# Altium PCB 2440PCBV8.PcbDoc (part 2 of 4) (continued)
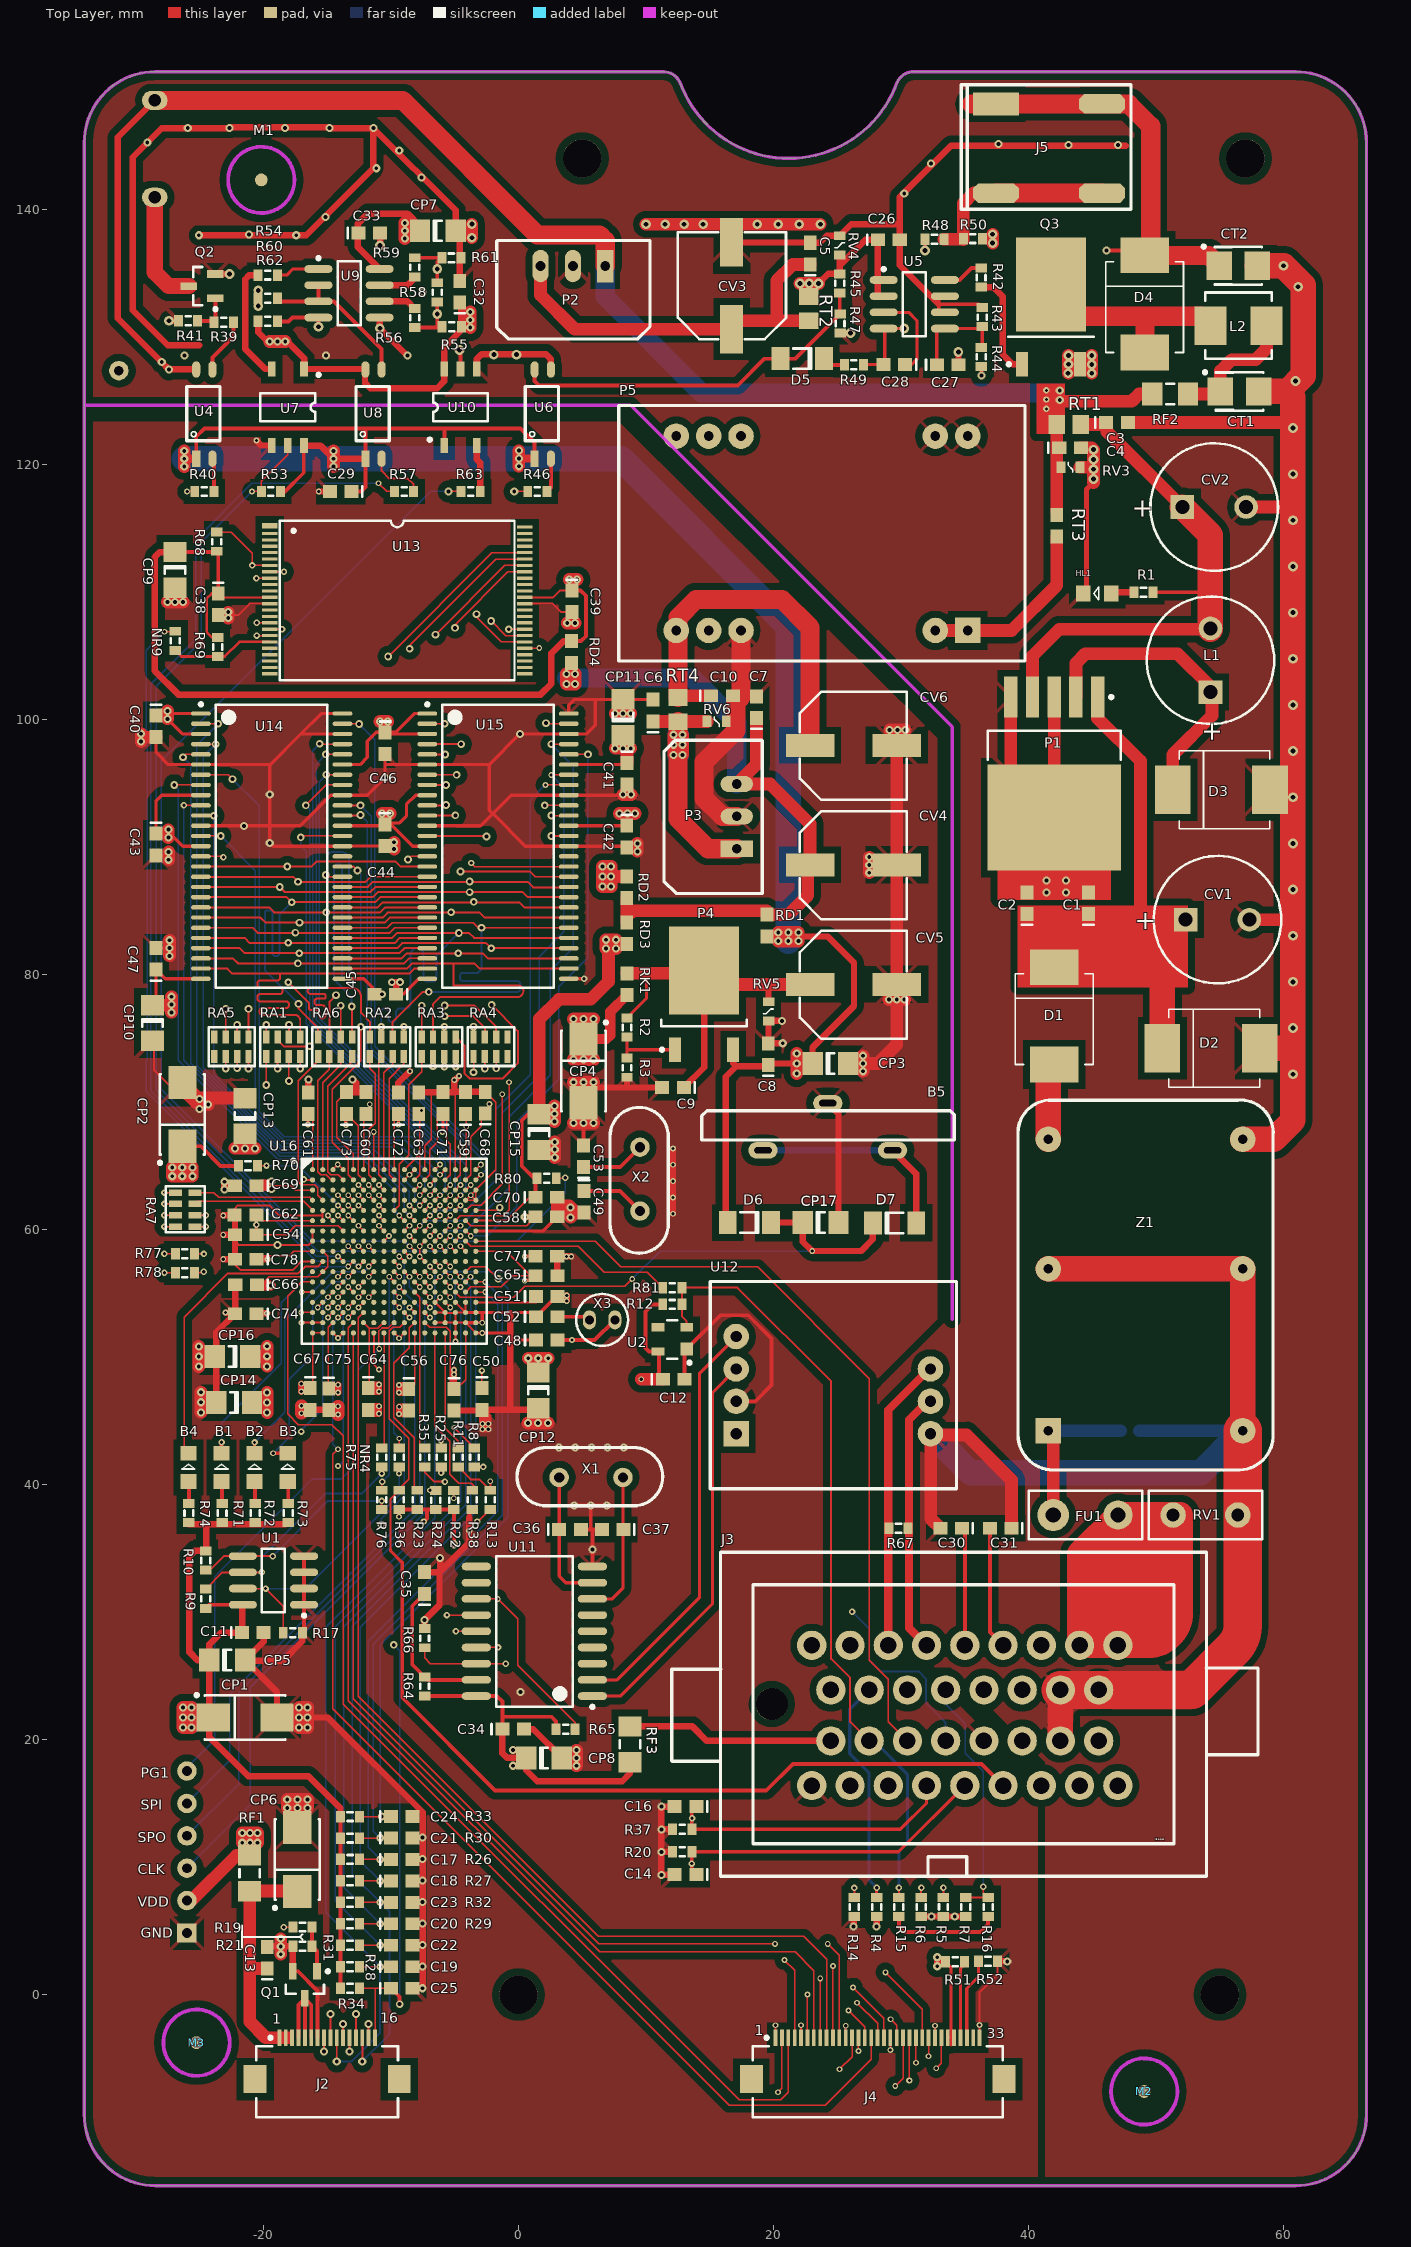
[diagram p0: Top Layer view]
## Nets (pads, with @x,y where several pads share a name; then routed paths per layer and width w, separated by ;. In a path a pad name is that pad's centre, name@x,y a point inside that pad or via, vN(x,y) a via of type N, cw(c..) or ccw(c..) an arc to the next point about the centre after c; other vN are vias at no path point) (continued)
  Top Layer w1: v1(-29.591,98.273) v1@-29.591,98.616 ; v1(-29.591,98.882) v1@-29.591,98.616 ; C40.2@-28.423,98.616 v1@-29.591,98.616 ; v1(-27.534,109.22) v1(-26.924,109.22) v1(-26.314,109.22) ; v1(-27.432,89.002) v1(-27.432,89.611) ; v1(-27.367,81.47) v1(-27.367,82.079) v1(-27.367,82.689) ; v1(-25.07,49.251) v1(-25.07,50.038) v1(-25.07,50.825) ; v1(-24.892,45.669) v1(-24.892,46.457) v1(-24.892,47.244) ; v1(-24.333,69.799) -24.627,69.799 v1@-25.039,70.211 ; v1(-22.758,107.95) -22.758,108.192 v1(-22.758,108.421) ; CP13.2@-21.436,70.31 -24.94,70.31 v1(-25.019,70.231) v1@-25.039,70.211 ; v1(-18.644,3.175) v1(-18.644,3.785) -18.644,3.802 -18.644,3.81 v1(-18.644,4.394) ; v1(-17.221,22.53) v1(-17.221,21.742) v1(-17.221,20.955) v1(-16.535,20.955) v1(-16.535,21.742) v1(-16.535,22.53) v1@-17.199,22.53 ; v2(-17.018,45.593) v2(-17.018,46.177) ; v2(-14.148,45.491) v2(-14.148,46.152) ; v1(-9.748,89.84) v1(-9.748,90.373) ; v1(0.737,44.841) v1(1.524,44.841) v1(2.311,44.841) ; v1(2.845,65.659) v1(2.845,66.269) v1(2.845,66.878) ; C58.2@3.039,60.999 3.039,61.874 ; C70.2@3.039,62.54 3.039,61.874 ; v1(3.823,107.568) v1(4.432,107.568) ; v1(4.318,68.351) v1(5.105,68.351) ; v1(4.318,71.552) v1(5.105,71.552) v1(5.893,71.552) ; v1(4.547,17.958) v1(4.547,18.567) v1(4.547,19.177) ; CP4.2@5.105,69.941 v1(5.105,68.351) ; C49.2@5.131,61.329 4.448,61.329 ; v1(5.893,68.351) v1(5.105,68.351) ; v1(7.582,100.468) v1(8.191,100.468) v1(8.801,100.468) ; v1(8.204,94.107) 8.357,94.107 v1(8.814,94.107) ; v1(9.322,89.662) v1(9.322,90.272) ; CP3.2@25.86,73.025 v1(27.014,73.025) ; v1(27.014,72.415) v1(27.014,73.025) ; v1(27.014,73.635) v1(27.014,73.025) ; v1(27.508,87.986) v1(27.508,88.595) v1(27.508,89.205) ; v1(29.054,78.029) v1(29.664,78.029) ; v1(29.108,99.187) v1(29.718,99.187) v1(30.328,99.187) ; CV6.2@29.664,97.968 CV4.2@29.664,88.595 CV5.2@29.664,79.223 v1(29.664,78.029) ; v1(30.273,78.029) v1(29.664,78.029) ; v1@-25.039,70.211 -25.286,69.964 -26.365,71.044 CP2.2@-26.365,71.537 v1@-25.039,70.211 ; 3.039,61.874 3.952,61.874 v1(4.079,61.747) ; v1(4.079,61.747) 4.448,61.378 4.448,61.329 ; v1(4.079,61.747) v1(4.079,60.96) 4.448,61.329 ; v1(27.014,73.025) 28.169,73.025 29.664,74.52 v1(29.664,78.029) ; v1(-18.136,14.656) v1(-17.335,14.656) v1(-16.535,14.656) v1(-16.535,15.316) v1(-17.335,15.316) v1(-18.136,15.316) v1(-18.136,14.656)
  Top Layer w1.5: P3.2@17.12,92.405 15.977,92.405 14.554,93.828 14.554,96.647 17.07,99.163 17.07,101.38 17.45,101.76 17.45,101.854 17.45,101.905 ; P5.16@17.45,106.985 17.45,101.905 ; 17.501,101.854 17.45,101.905
  SIG1 w0.152: v1(-18.898,58.801) -18.263,59.436 -11.582,59.436 -11.22,59.074 -8.973,59.074 v2(-8.548,59.499) ; v2(-6.948,55.499) -6.948,55.487 v2(-6.147,54.686)
  Bottom Layer w1: v1(27.014,72.415) v1(27.014,73.025)
  other v1: 0.152,23.747 3.188,42.913 4.455,42.913 5.721,42.913 6.988,42.913 8.255,42.913 -25.019,69.444 -21.539,91.643
  other v2: 3.759,57.9 4.14,57.9
  other v3: -10.693,78.461
GPB10/NAND: NR9.2 U16.K6 | length 60.5
  Top Layer w0.102: v2(-27.762,106.883) -26.95,106.883 NR9.2@-26.911,106.922 ; v2(-12.548,57.099) U16.K6@-12.148,57.499
  Bottom Layer w0.102: v2(-27.762,106.883) -29.203,105.442 -29.203,99.186 -29.102,99.085 -29.102,73.38 -29.203,73.279 -29.203,70.834 -15.868,57.499 -12.948,57.499 v2(-12.548,57.099)
GPC1/VCLK: J4.2 U16.L4 | length 90.1
  Top Layer w0.102: v2(-14.148,56.299) U16.L4@-13.748,56.699 ; v2(20.345,-7.645) 20.66,-7.331 J4.2@20.66,-3.375
  SIG1 w0.102: v2(-14.148,56.299) -14.948,56.299 -17.983,53.263 -17.983,25.177 14.839,-7.645 v2(20.345,-7.645)
GPC2/VLINE: J4.3 U16.M1 | length 90.1
  Top Layer w0.102: U16.M1@-16.148,55.899 -16.999,55.899 -18.11,54.788 -18.11,45.547 -17.267,44.704 -14.63,44.704 -13.748,43.822 -13.748,22.79 17.297,-8.255 20.549,-8.255 21.16,-7.644 J4.3@21.16,-3.375
GPC3/VFRAME: J4.4 U16.L7 | length 78.2
  Top Layer w0.102: v2(-11.748,56.299) U16.L7@-11.348,56.699 ; v2(20.853,2.718) 21.66,1.911 J4.4@21.66,-3.375
  SIG1 w0.102: v2(-11.748,56.299) -11.348,55.899 -11.348,27.934 13.868,2.718 v2(20.853,2.718)
GPC4/VM: J4.27 U16.M4 | length 97.4
  Top Layer w0.102: v2(-14.148,55.499) U16.M4@-13.748,55.899 ; v2(32.766,-5.766) 33.16,-5.372 J4.27@33.16,-3.375
  SIG1 w0.102: v2(-14.148,55.499) -15.434,55.499 -16.51,54.423 -16.51,25.654 15.392,-6.248 32.283,-6.248 v2(32.766,-5.766)
GPG5/485: R57.2 U16.K4 | length 83
  Top Layer w0.102: v2(-14.148,57.899) U16.K4@-13.748,57.499 ; v2(-10.986,118.529) -10.338,117.881 R57.2@-9.72,117.881
  Bottom Layer w0.102: v2(-14.148,57.899) -15.862,57.899 -28.854,70.891 -28.854,102.78 -25.324,106.311 -25.324,114.108 -20.916,118.516 v2@-10.986,118.516
GPG12/EINT20: U16.M10
GPG13: R23.2 U16.T11 | length 14.6
  Top Layer w0.102: U16.T11@-8.148,52.699 -8.548,52.299 -8.548,50.736 -9.782,49.502 -9.782,45.291 -8.179,43.688 -8.179,39.807 R23.2@-7.933,39.561
GPG14: R24.2 U16.L11 | length 17.6
  Top Layer w0.102: U16.L11@-8.148,56.699 v2(-7.748,56.299)
  SIG1 w0.102: v2(-7.748,56.299) -7.348,55.899 -7.348,55.715 -7.348,55.664 -7.348,39.961 v2(-6.948,39.561)
GPG15: R38.1 U16.U13 | length 14.2
  Top Layer w0.102: U16.U13@-6.548,51.899 -6.548,44.572 -5.385,43.409 -5.385,40.818 -4.674,40.107 -3.708,40.107 -3.429,39.827 R38.1@-3.429,39.536
I2CSCL: R9.2 R75.1 U1.6 | length 18.6
  Top Layer w0.152: R9.2@-24.538,31.802 -23.219,33.122 U1.6@-21.618,33.122 ; U1.6@-21.412,33.122 v5(-20.117,33.122) ; v5(-10.719,40.869) R75.1@-10.719,41.389
  Bottom Layer w0.152: v5(-20.117,33.122) -20.117,34.315 -15.113,39.319 -12.268,39.319 v5(-10.719,40.869)
I2CSDA: R10.2 R76.1 U1.5 | length 16.7
  Top Layer w0.152: R10.2@-24.538,33.299 -24.206,33.299 -23.114,34.392 U1.5@-21.618,34.392 v5(-19.279,34.392) ; R76.1@-10.731,38.061 v5(-10.731,38.722)
  Bottom Layer w0.152: v5(-19.279,34.392) -14.948,38.722 v5(-10.731,38.722)
LADDR2: RA2.4 U14.23 U15.23 | length 38.5
  Top Layer w0.152: U14.23@-24.905,82.868 -21.477,82.868 -21.081,82.473 -9.704,82.473 -9.308,82.868 U15.23@-7.15,82.868 ; v3(-18.059,79.4) -16.434,77.775 -16.434,77.394 ccw(c-16.256,77.394) -16.256,77.216 -15.824,77.216 cw(c-15.824,76.987) -15.596,76.987 -15.596,76.759 ccw(c-15.392,76.759) -15.392,76.556 ccw(c-15.392,76.803) -15.145,76.803 -15.145,77.349 ccw(c-15.392,77.349) -15.392,77.597 -15.773,77.597 cw(c-15.773,77.826) -16.002,77.826 -16.002,77.902 cw(c-15.799,77.902) -15.799,78.105 -15.291,78.105 ccw(c-15.291,78.283) -15.113,78.283 -15.113,78.308 ccw(c-15.291,78.308) -15.291,78.486 -16.307,78.486 cw(c-16.307,78.715) -16.535,78.715 cw(c-16.307,78.715) -16.307,78.943 -13.03,78.943 cw(c-13.03,78.257) -12.344,78.257 -12.344,76.987 -11.652,76.295 RA2.4@-11.652,75.114
  SIG1 w0.152: v3(-18.059,79.4) v3(-18.059,82.499)
LADDR3: RA3.2 U14.24 U15.24 | length 35.9
  Top Layer w0.152: U14.24@-24.905,82.068 -21.87,82.068 -21.475,81.673 v3(-17.196,81.673) -9.335,81.673 -8.94,82.068 U15.24@-7.15,82.068 ; RA3.2@-5.81,75.114 v3(-5.81,75.901)
  SIG1 w0.152: v3(-17.196,81.673) -16.637,81.114 -16.637,76.923 -14.593,74.879 -6.833,74.879 v3(-5.81,75.901)
LADDR4: RA1.4 U14.25 U15.25 | length 33.9
  Top Layer w0.152: U14.25@-24.905,81.268 -22.391,81.268 -21.996,80.873 v3(-17.297,80.873) -8.967,80.873 -8.56,81.28 U15.25@-7.15,81.28 ; RA1.4@-19.78,75.114 v3(-19.78,76.066)
  SIG1 w0.152: v3(-19.78,76.066) -19.78,78.689 cw(c-19.552,78.689) -19.552,78.918 -19.507,78.918 cw(c-19.507,78.689) -19.279,78.689 -19.279,76.733 ccw(c-19.075,76.733) -19.075,76.53 -18.999,76.53 ccw(c-18.999,76.733) -18.796,76.733 -18.796,78.511 cw(c-18.618,78.511) -18.618,78.689 -18.542,78.689 cw(c-18.542,78.511) -18.364,78.511 -18.364,76.987 ccw(c-18.161,76.987) -18.161,76.784 -18.059,76.784 ccw(c-18.059,76.987) -17.856,76.987 -17.856,78.283 -17.297,78.842 v3(-17.297,80.873)
LADDR5: RA1.1 U14.26 U15.26 | length 35.5
  Top Layer w0.152: U14.26@-24.905,80.468 -22.836,80.468 -22.44,80.073 -18.694,80.073 ; RA1.1@-17.113,75.114 -17.113,76.397 ccw(c-17.551,76.397) -17.551,76.835 -20.091,76.835 cw(c-20.091,77.038) -20.295,77.038 -20.295,77.165 cw(c-20.091,77.165) -20.091,77.368 -18.237,77.368 ccw(c-18.237,77.603) -18.002,77.603 -18.002,77.667 ccw(c-18.237,77.667) -18.237,77.902 -20.277,77.902 cw(c-20.277,78.097) -20.472,78.097 -20.472,78.265 cw(c-20.277,78.265) -20.277,78.461 -18.72,78.461 ccw(c-18.72,78.664) -18.517,78.664 -18.517,78.783 ccw(c-18.72,78.783) -18.72,78.986 -20.277,78.986 cw(c-20.277,79.182) -20.472,79.182 -20.472,79.332 cw(c-20.277,79.332) -20.277,79.527 -18.923,79.527 ccw(c-18.923,79.756) -18.694,79.756 -18.694,80.073 ; U15.26@-7.15,80.468 -8.178,80.468 -8.573,80.073 -18.694,80.073
LADDR6: RA3.3 U14.29 U15.29 | length 35.7
  Top Layer w0.152: U14.29@-13.805,80.468 -8.762,80.468 -8.366,80.864 -5.105,80.864 ; RA3.3@-6.699,75.114 -6.699,77.705 -6.172,78.232 -0.102,78.232 ccw(c-0.102,78.715) 0.381,78.715 ccw(c-0.051,78.715) -0.051,79.146 -5.08,79.146 -5.08,80.838 -5.105,80.864 ; U15.29@3.95,80.468 -3.049,80.468 -3.445,80.864 -5.105,80.864
LADDR7: RA1.3 U14.30 U15.30 | length 39.7
  Top Layer w0.152: RA1.3@-18.891,75.114 -18.891,74.861 -18.401,74.371 v3(-16.383,74.371) ; U14.30@-13.805,81.268 -9.156,81.268 -8.76,81.664 v3(-4.724,81.664) -2.797,81.664 -2.388,81.255 U15.30@3.95,81.255
  SIG1 w0.152: v3(-16.383,74.371) -16.129,74.117 -5.918,74.117 -4.724,75.311 v3(-4.724,81.664)
LADDR8: RA3.1 U14.31 U15.31 | length 35.9
  Top Layer w0.152: U14.31@-13.805,82.068 -9.524,82.068 -9.129,82.464 -2.53,82.464 v3(-2.135,82.068) U15.31@3.95,82.068 ; RA3.1@-4.921,75.114 -4.242,74.434 -4.242,72.263 -3.828,71.849 -1.252,71.849 -0.051,73.05 -0.051,75.565 v3(-2.108,77.622)
  SIG1 w0.152: v3@-2.135,77.622 v3(-2.135,82.068)
LADDR9: RA2.3 U14.32 U15.32 | length 37.2
  Top Layer w0.152: U14.32@-13.805,82.868 -9.917,82.868 -9.522,83.264 v3(-4.674,83.264) -3.883,83.264 -3.487,82.868 U15.32@3.95,82.868 ; RA2.3@-10.763,75.114 v3(-10.763,75.882)
  Bottom Layer w0.152: v3(-10.763,75.882) -10.763,77.07 cw(c-10.49,77.07) -10.49,77.343 cw(c-10.49,77.064) -10.211,77.064 -10.211,76.556 ccw(c-9.938,76.556) -9.938,76.282 -9.874,76.282 ccw(c-9.874,76.556) -9.601,76.556 -9.601,77.013 cw(c-9.271,77.013) -9.271,77.343 -8.839,77.343 ccw(c-8.839,77.724) -8.458,77.724 -8.458,81.559 cw(c-7.949,81.559) -7.949,82.068 cw(c-7.949,81.561) -7.442,81.561 -7.442,79.731 ccw(c-7.163,79.731) -7.163,79.451 -6.706,79.451 ccw(c-6.706,79.731) -6.426,79.731 -6.426,81.511 v3(-4.674,83.264)
LADDR10: RA2.2 U14.33 U15.33 | length 41.4
  Top Layer w0.152: U14.33@-13.805,83.668 -10.286,83.668 -9.891,84.064 -3.547,84.064 -3.152,83.668 v3(-2.896,83.668) U15.33@3.95,83.668 ; RA2.2@-9.874,74.79 RA2.2@-9.874,75.114 -9.874,76.282 -7.518,78.638 v3(-7.036,78.638)
  Bottom Layer w0.152: v3(-7.036,78.638) -0.127,78.638 ccw(c-0.127,78.918) 0.152,78.918 0.152,79.223 ccw(c-0.127,79.223) -0.127,79.502 -4.369,79.502 cw(c-4.369,79.705) -4.572,79.705 -4.572,79.934 cw(c-4.369,79.934) -4.369,80.137 -3.175,80.137 -2.896,80.416 v3(-2.896,83.668)
LADDR11: RA1.2 U14.34 U15.34 | length 42.2
  Top Layer w0.152: RA1.2@-18.002,75.114 v3(-18.002,76.066) ; U14.34@-13.805,84.468 -10.655,84.468 -10.259,84.864 -3.05,84.864 -2.655,84.468 U15.34@3.95,84.468
  SIG1 w0.152: v3(-18.002,76.066) -17.056,76.066 -15.488,74.498 -6.325,74.498 -5.283,75.54 v3(-5.286,84.887) v3(-5.286,84.887)
LADDR12: RA2.1 U14.22 U15.22 | length 37.7
  Top Layer w0.152: U14.22@-24.905,83.668 -20.854,83.668 -20.459,83.273 -10.097,83.273 -9.702,83.668 U15.22@-7.15,83.668 ; RA2.1@-8.985,75.114 v3(-8.985,75.901)
  SIG1 w0.152: v3(-17.493,83.287) -16.027,81.821 -16.027,77.038 -14.269,75.28 -7.245,75.28 ccw(c-7.245,75.413) -7.112,75.413 -7.112,75.698 ccw(c-7.315,75.698) -7.315,75.901 v3(-8.985,75.901)
LADDR13: RA4.4 U14.35 U15.35 | length 29.1
  Top Layer w0.152: U14.35@-13.805,85.268 -11.035,85.268 -10.64,85.664 0.061,85.664 0.457,85.268 U15.35@3.95,85.268 ; RA4.4@-3.524,75.114 v3(-3.524,75.914)
  SIG1 w0.152: v3(-3.524,75.914) -3.524,77.781 -3.048,78.258 -3.048,81.039 -3.505,81.496 v3(-3.505,85.7) v3@-3.524,85.68
LADDR14: RA3.4 U14.36 U15.36 | length 35.2
  Top Layer w0.152: U14.36@-13.805,86.068 -11.417,86.068 -11.021,86.464 v3(-3.835,86.464) 0.328,86.464 0.723,86.068 U15.36@3.95,86.068 ; RA3.4@-7.588,75.114 v3(-7.588,77.561)
  SIG1 w0.152: v3(-7.588,77.561) -6.843,77.561 -6.172,78.232 -6.172,79.702 ccw(c-6.531,79.702) -6.531,80.061 -8.561,80.061 cw(c-8.561,80.213) -8.713,80.213 -8.713,82.194 -4.443,86.464 v3(-3.835,86.464)
LADDR24: RA4.2 U14.20 U15.20 | length 40.7
  Top Layer w0.152: U14.20@-24.905,85.268 -19.559,85.268 -19.163,84.873 v3(-15.062,84.873) -10.86,84.873 -10.464,85.268 U15.20@-7.15,85.268 U15.20@-7.125,85.293 ; v3(-5.791,77.572) -3.429,77.572 -1.746,75.889 RA4.2@-1.746,75.114
  SIG1 w0.152: v3(-15.062,84.873) -15.113,84.822 -15.113,77.8 -14.249,76.937 -6.426,76.937 v3(-5.791,77.572)
LADDR25: RA4.3 U14.21 U15.21 | length 39.8
  Top Layer w0.152: U14.21@-24.905,84.468 -20.232,84.468 -19.836,84.073 v3(-17.17,84.073) -10.491,84.073 -10.096,84.468 U15.21@-7.15,84.468 ; v3(-5.791,76.733) -3.531,76.733 -2.635,75.838 RA4.3@-2.635,75.114
  SIG1 w0.152: v3(-17.17,84.073) -15.469,82.371 -15.469,77.47 -14.503,76.505 -6.02,76.505 v3(-5.791,76.733)
LALE: RA7.8 U16.D1 | length 9.5
  Top Layer w0.102: RA7.8@-25.375,62.903 -23.88,62.903 -23.512,62.535 -16.384,62.535 U16.D1@-16.148,62.299
LCLE: R77.2 U16.F5 | length 13.9
  Top Layer w0.102: R77.2@-25.412,58.11 -24.683,58.11 v5(-24.663,58.09) ; v2(-13.348,61.099) U16.F5@-12.948,60.699
  SIG1 w0.102: v5(-24.663,58.09) -23.851,58.903 -20.244,58.903 -18.448,60.699 -13.748,60.699 v2(-13.348,61.099)
LDATA0: U13.29 U14.2 U16.D12 | length 83.4
  Top Layer w0.102: U14.2@-24.905,99.668 v3(-23.545,99.668) ; v2(-7.748,61.899) U16.D12@-7.348,62.299 ; U13.29@0.487,105.585 1.597,105.585 v2(1.626,105.613)
  SIG1 w0.102: v3(-23.545,99.668) -22.963,99.668 -13.792,108.839 -1.6,108.839 v2(1.626,105.613)
  Bottom Layer w0.102: v3(-23.545,99.668) -25.248,97.965 -25.248,72.9 -18.61,66.263 -11.312,66.263 -8.148,63.099 -8.148,62.299 v2(-7.748,61.899) v2@-7.748,61.902
LDATA1: U13.30 U14.4 U16.C12 | length 79.4
  Top Layer w0.102: U14.4@-24.905,98.068 v3(-23.75,98.068) ; v2(-7.748,62.699) U16.C12@-7.348,63.099 ; v3(-3.289,108.267) -3.289,108.013 -1.361,106.085 U13.30@0.487,106.085
  SIG1 w0.102: v3(-23.75,98.068) -13.551,108.267 v3(-3.289,108.267)
  Bottom Layer w0.102: v3(-23.75,98.068) -24.714,97.104 -24.714,72.681 -18.547,66.513 -9.962,66.513 -7.348,63.899 -7.348,63.099 v2(-7.748,62.699)
LDATA2: U13.31 U14.5 U16.E11 | length 80.4
  Top Layer w0.102: v3(-26.314,97.046) -26.092,97.268 U14.5@-24.905,97.268 ; v2(-8.548,61.899) U16.E11@-8.148,61.499 ; v3@-2.14,107.728 -0.997,106.585 U13.31@0.487,106.585
  SIG1 w0.102: v3(-26.314,97.046) -23.858,97.046 -13.183,107.721 v3(-2.146,107.721)
  Bottom Layer w0.102: v3(-26.314,97.046) -25.705,96.436 -25.705,73.043 -18.673,66.012 -11.58,66.012 -8.548,62.979 v2(-8.548,61.899)
LDATA3: U13.32 U14.7 U16.A13 | length 73.8
  Top Layer w0.102: U14.7@-24.905,95.668 -22.77,95.668 v3(-22.428,95.326) ; U16.A13@-6.548,64.699 v2(-6.148,65.099) ; v3(-0.761,107.085) U13.32@0.487,107.085
  SIG1 w0.102: v3(-22.428,95.326) -11.608,106.147 -1.699,106.147 v3(-0.761,107.085)
  Bottom Layer w0.102: v3(-22.428,95.326) -20.32,93.218 -20.32,69.228 -18.358,67.266 -8.315,67.266 v2(-6.148,65.099)
LDATA4: U13.41 U14.8 U16.F10 | length 82.3
  Top Layer w0.102: v3(-27,94.868) U14.8@-24.905,94.868 ; v2(-9.348,61.099) U16.F10@-8.948,60.699 ; v3(-4.978,107.188) -4.978,107.442 -0.835,111.585 U13.41@0.487,111.585
  SIG1 w0.102: v3(-27,94.868) -24.842,94.868 -12.497,107.213 -5.004,107.213 v3(-4.978,107.188)
  Bottom Layer w0.102: v3(-27,94.868) -26.663,94.532 -26.663,73.297 -18.876,65.51 -12.159,65.51 -9.748,63.099 -9.748,61.499 v2(-9.348,61.099)
LDATA5: U13.42 U14.10 U16.F11 | length 80
  Top Layer w0.102: v5@-26.238,93.268 U14.10@-24.905,93.268 ; v2(-8.548,61.113) -8.548,61.099 U16.F11@-8.148,60.699 ; v3(-6.502,106.655) -1.072,112.085 U13.42@0.487,112.085
  SIG1 w0.102: v5@-26.238,93.268 -25.451,93.268 -12.065,106.655 v3(-6.502,106.655)
  Bottom Layer w0.102: v5(-26.238,93.269) -26.238,73.263 -18.736,65.761 -11.874,65.761 -8.948,62.835 -8.948,61.499 -8.548,61.099 v2(-8.548,61.113)
LDATA6: U13.43 U14.11 U16.C13 | length 76.9
  Top Layer w0.102: U14.11@-24.905,92.468 v3@-23.914,92.468 ; v3(-8.534,105.549) -8.534,105.816 -1.766,112.585 U13.43@0.487,112.585 ; v2(-6.948,62.699) U16.C13@-6.548,63.099
  SIG1 w0.102: v3@-23.914,92.468 -10.833,105.549 v3(-8.534,105.549)
  Bottom Layer w0.102: v3@-23.914,92.468 v3(-23.901,92.456) -23.901,72.182 -18.484,66.764 -9.413,66.764 -6.548,63.899 -6.548,63.099 v2(-6.948,62.699)
LDATA7: U13.44 U14.13 U16.A14 | length 75
  Top Layer w0.102: U14.13@-24.905,90.868 v3(-23.355,90.868) ; v3(-10.223,104.94) -2.079,113.085 U13.44@0.487,113.085 ; v2(-6.148,64.299) U16.A14@-5.748,64.699
  SIG1 w0.102: v3(-23.355,90.868) -23.355,91.808 v3(-10.223,104.94)
  Bottom Layer w0.102: v3(-23.355,90.868) -20.625,88.138 -20.625,69.219 -18.421,67.015 -8.864,67.015 v2(-6.148,64.299)
LDATA8: U14.42 U16.D13 | length 36.8
  Top Layer w0.102: v3(-17.069,90.754) -16.955,90.868 U14.42@-13.805,90.868 ; U16.D13@-6.548,62.299 v2(-6.148,62.699)
  Bottom Layer w0.102: v3(-17.069,90.754) -17.069,90.094 -16.65,89.675 -16.65,76.167 -5.748,65.265 -5.748,63.099 v2(-6.148,62.699)
LDATA9: U14.44 U16.B15 | length 33.5
  Top Layer w0.102: U16.B15@-4.948,63.899 -4.548,64.299 v2@-4.548,66.478
  Top Layer w0.152: U14.44@-13.805,92.468 -12.434,92.468 v3(-12.395,92.507)
  Bottom Layer w0.102: v3(-12.395,92.507) -11.862,91.973 -11.862,74.194 -4.541,66.873 v2(-4.541,66.478)
LDATA10: U14.45 U16.A17 | length 34.1
  Top Layer w0.102: U16.A17@-3.348,64.699 v2(-2.953,65.094)
  Top Layer w0.152: U14.45@-13.805,93.268 v3(-12.395,93.269)
  Bottom Layer w0.102: v3(-12.395,93.269) -11.528,92.402 -11.528,74.215 -2.953,65.64 v2(-2.953,65.094)
LDATA11: U14.47 U16.C14 | length 38.6
  Top Layer w0.102: v3(-16.674,93.269) -15.074,94.868 U14.47@-13.805,94.868 ; U16.C14@-5.748,63.099 v2(-5.348,63.499)
  Bottom Layer w0.102: v3(-16.674,93.269) -16.377,92.972 -16.377,76.249 -5.348,65.22 v2(-5.348,63.499)
LDATA12: U14.48 U16.D15 | length 40
  Top Layer w0.102: v3(-15.062,95.682) -15.049,95.668 U14.48@-13.805,95.668 ; U16.D15@-4.948,62.299 v2(-4.548,62.699)
  Bottom Layer w0.102: v3(-15.062,95.682) -15.622,95.122 -15.622,76.558 -4.148,65.084 -4.148,63.099 v2(-4.548,62.699)
LDATA13: U14.50 U16.C15 | length 40.6
  Top Layer w0.102: v3(-15.101,97.268) U14.50@-13.805,97.268 ; U16.C15@-4.948,63.099 v2(-4.548,63.499)
  Bottom Layer w0.102: v3(-15.101,97.268) -15.875,96.494 -15.875,76.457 -4.548,65.129 v2(-4.548,63.499)
LDATA14: U14.51 U16.D14 | length 42.8
  Top Layer w0.102: v3(-15.596,98.095) -15.622,98.068 U14.51@-13.805,98.068 ; U16.D14@-5.748,62.299 v2(-5.348,62.699)
  Bottom Layer w0.102: v3(-15.596,98.095) -16.126,97.564 -16.126,76.353 -4.948,65.174 -4.948,63.099 v2(-5.348,62.699)
LDATA15: U14.53 U16.B17 | length 41.5
  Top Layer w0.102: U14.53@-13.805,99.668 -12.521,99.668 v3(-12.497,99.644) ; U16.B17@-3.348,63.899 v2(-2.948,64.299)
  Bottom Layer w0.102: v3(-12.497,99.644) -11.278,98.425 -11.278,74.396 -2.553,65.672 -2.553,64.693 v2(-2.948,64.299)
LDATA16: U15.2 U16.C16 | length 44
  Top Layer w0.102: U16.C16@-4.148,63.099 v2(-3.748,63.499)
  Top Layer w0.152: U15.2@-7.15,99.668 v3(-5.792,99.668)
  SIG1 w0.102: -4.089,99.619 1.197,94.333 1.197,69.954 -3.748,65.01 v2(-3.748,63.499)
  SIG1 w0.152: v3(-5.792,99.668) v3(-5.792,99.668) -4.139,99.668 -4.089,99.619
LDATA17: U15.4 U16.E15 | length 43.9
  Top Layer w0.102: U16.E15@-4.948,61.499 v2(-4.548,61.899)
  Top Layer w0.152: U15.4@-7.15,98.068 v3(-4.496,98.069)
  SIG1 w0.102: v2(-4.548,61.899) -4.148,62.299 -4.148,65.22 0.946,70.313 0.946,92.627 v3(-4.496,98.069)
LDATA18: U15.5 U16.E14 | length 42.7
  Top Layer w0.102: U16.E14@-5.748,61.499 v2(-5.348,61.899)
  Top Layer w0.152: U15.5@-7.15,97.268 -5.752,97.268 v3(-5.74,97.257)
  SIG1 w0.102: v3@-5.752,97.268 -5.397,97.268 0.695,91.177 0.695,70.52 -4.948,64.877 -4.948,62.299 v2(-5.348,61.899)
LDATA19: U15.7 U16.E13 | length 41.6
  Top Layer w0.102: U16.E13@-6.548,61.499 v2(-6.148,61.899) ; v3@-4.863,95.668 v3(-4.851,95.656)
  Top Layer w0.152: U15.7@-7.15,95.668 v3@-4.863,95.668
  SIG1 w0.102: v2(-6.148,61.899) -5.748,62.299 -5.748,64.636 0.444,70.828 0.444,90.361 v3(-4.851,95.656)
LDATA20: U15.8 U16.E12 | length 41.1
  Top Layer w0.102: U16.E12@-7.348,61.499 v2(-6.948,61.899)
  Top Layer w0.152: U15.8@-7.15,94.868 v3(-5.69,94.868)
  SIG1 w0.102: v2(-6.948,61.899) -6.548,62.299 -6.548,65.309 -4.593,67.264 -3.434,67.264 0.193,70.891 0.193,88.985 v3(-5.69,94.868)
LDATA21: U15.10 U16.E16 | length 36.7
  Top Layer w0.102: v3@-5.715,93.268 v3(-5.69,93.294) ; U16.E16@-4.148,61.499 -3.721,61.925 -2.934,61.925 -1.275,63.583 v2(-1.275,70.607)
  Top Layer w0.152: U15.10@-7.15,93.268 v3@-5.715,93.268
  SIG1 w0.102: v3(-5.69,93.294) -5.69,91.796 -1.275,87.381 v2(-1.275,70.607)
LDATA22: U15.11 U16.F15 | length 39.6
  Top Layer w0.102: v3@-4.961,92.468 v3(-4.948,92.481) ; U16.F15@-4.948,60.699 -4.548,61.099 -1.207,61.099 -0.737,61.57 v2(-0.737,71.552) v2@-0.737,71.704
  Top Layer w0.152: U15.11@-7.15,92.468 v3@-4.961,92.468
  SIG1 w0.102: v3(-4.948,92.481) -0.737,88.27 v2(-0.737,71.552)
LDATA23: U15.13 U16.G13 | length 41.5
  Top Layer w0.102: v2(-6.948,59.499) U16.G13@-6.548,59.899
  Top Layer w0.152: U15.13@-7.15,90.868 -2.553,90.868 v3(-2.515,90.83)
  SIG1 w0.102: v2(-6.948,59.499) -7.348,59.899 -7.348,65.017 -4.724,67.64 -3.371,67.64 -0.057,70.954 -0.057,88.373 v3(-2.515,90.83)
LDATA24: U15.42 U16.E17 | length 33.8
  Top Layer w0.102: U16.E17@-3.348,61.499 -1.696,61.499 v3(-1.471,61.725)
  Top Layer w0.152: v3(2.578,90.868) U15.42@3.95,90.868
  SIG1 w0.102: -1.245,61.951 2.159,65.354 2.159,90.449 v3(2.578,90.868)
LDATA25: U15.44 U16.G12 | length 39.9
  Top Layer w0.102: U16.G12@-7.348,59.899 v2(-6.948,60.299) ; v3(2.578,92.468) U15.44@3.95,92.468
  SIG1 w0.102: v2(-6.948,60.299) -6.548,60.699 -3.322,60.699 1.912,65.932 1.912,91.802 v3(2.578,92.468)
LDATA26: U15.45 U16.F14 | length 38.6
  Top Layer w0.102: U16.F14@-5.748,60.699 v2(-5.348,61.099) ; v3(2.057,93.268) U15.45@3.95,93.268
  SIG1 w0.102: v2(-5.348,61.099) -3.76,61.099 1.69,66.548 1.69,92.901 v3(2.057,93.268)
LDATA27: U15.47 U16.F12 | length 41.3
  Top Layer w0.102: U16.F12@-7.348,60.699 v2(-6.948,61.099) ; v2(2.108,94.868) U15.47@3.95,94.868
  Bottom Layer w0.102: v2(-6.948,61.099) -6.548,61.499 -4.148,61.499 -1.785,63.862 -1.785,69.437 0.94,72.162 0.94,93.7 v2(2.108,94.868)
LDATA28: U15.48 U16.G11 | length 44.3
  Top Layer w0.102: U16.G11@-8.148,59.899 v2(-7.748,60.299) ; v2(2.565,95.656) 3.938,95.656 U15.48@3.95,95.668
  Bottom Layer w0.102: v2(-7.748,60.299) -7.348,60.699 -4.16,60.699 -1.275,63.583 -1.275,69.159 1.626,72.06 1.626,81.407 3.556,83.337 3.556,94.666 v2(2.565,95.656)
LDATA29: U15.50 U16.G16 | length 44.4
  Top Layer w0.102: U16.G16@-4.148,59.899 v2(-3.748,59.499) ; U15.50@3.95,97.268 v3(5.449,97.268)
  Bottom Layer w0.102: v2(-3.748,59.499) -2.452,59.499 -0.152,61.798 -0.152,68.453 3.175,71.78 3.175,79.057 5.449,81.331 v3(5.449,97.268)